# Altium PCB 智能马桶综合检测台V1.0.PcbDoc (part 2 of 10) (continued)
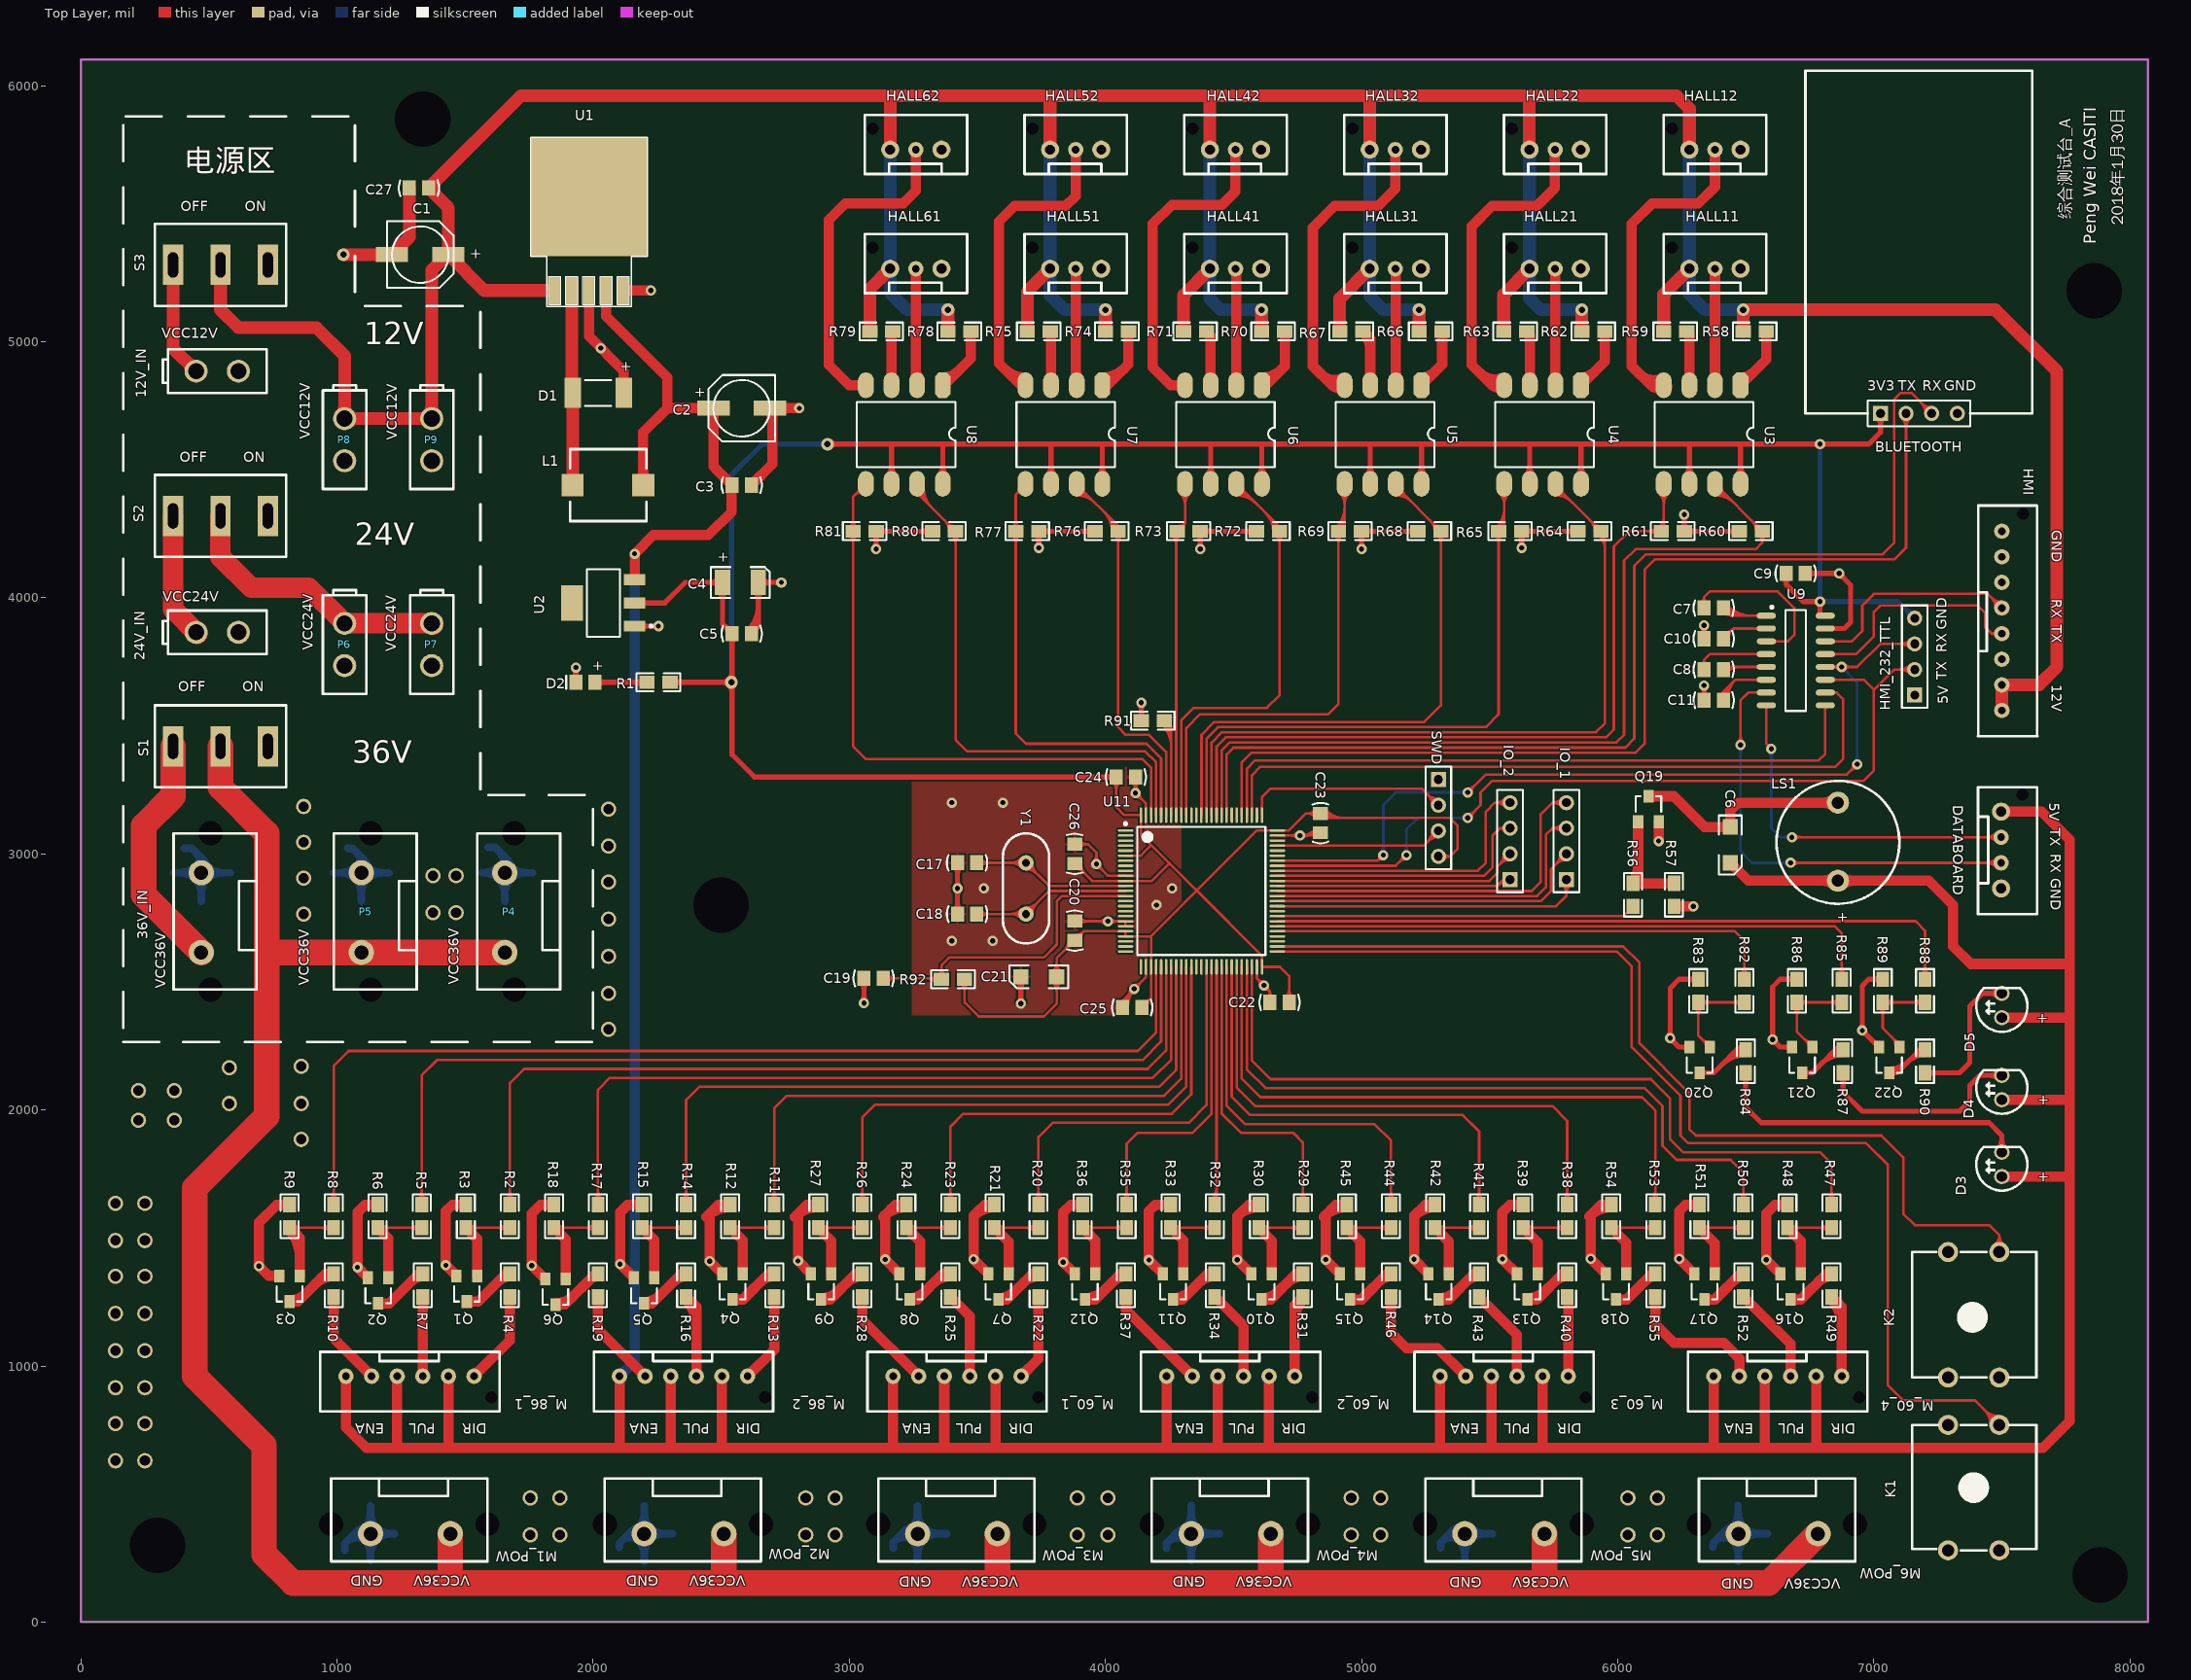
[diagram p0: Top Layer view]
## Nets (pads, with @x,y where several pads share a name; then routed paths per layer and width w, separated by ;. In a path a pad name is that pad's centre, name@x,y a point inside that pad or via, vN(x,y) a via of type N, cw(c..) or ccw(c..) an arc to the next point about the centre after c; other vN are vias at no path point) (continued)
3349.82,345 ; M3_POW.2@3291.41,320.81 cw(c3349.82,262.4) 3349.82,345 ; M3_POW.2@3291.41,320.81 cw(c3349.82,262.4) 3349.82,345 ; M3_POW.2@3291.41,369.19 ccw(c3349.82,427.6) 3349.82,345 ; M3_POW.2@3291.41,369.19 ccw(c3349.82,427.6) 3349.82,345 ; M3_POW.2@3291.41,369.19 ccw(c3349.82,427.6) 3349.82,345 ; M3_POW.2@3291.41,369.19 ccw(c3349.82,427.6) 3349.82,345 ; M3_POW.2@3291.41,369.19 ccw(c3349.82,427.6) 3349.82,345 ; 4242.95,312.2 cw(c4281.98,273.17) M4_POW.2@4314.85,317.51 ; 4242.95,312.2 cw(c4281.98,273.17) M4_POW.2@4314.85,317.51 ; 4242.95,312.2 cw(c4281.98,273.17) M4_POW.2@4314.85,317.51 ; 4242.95,312.2 cw(c4281.98,273.17) M4_POW.2@4314.85,317.51 ; 4242.95,312.2 cw(c4281.98,273.17) M4_POW.2@4314.85,317.51 ; 4246.44,315.68 cw(c4313.11,249.01) M4_POW.2@4334.27,340.89 ; 4246.44,315.68 cw(c4313.11,249.01) M4_POW.2@4334.27,340.89 ; 4246.44,315.68 cw(c4313.11,249.01) M4_POW.2@4334.27,340.89 ; 4246.44,315.68 cw(c4313.11,249.01) M4_POW.2@4334.27,340.89 ; 4246.44,315.68 cw(c4313.11,249.01) M4_POW.2@4334.27,340.89 ; 4267.55,336.8 cw(c4302.92,301.42) M4_POW.2@4332.71,341.62 ; 4267.55,336.8 cw(c4302.92,301.42) M4_POW.2@4332.71,341.62 ; 4267.55,336.8 cw(c4302.92,301.42) M4_POW.2@4332.71,341.62 ; 4267.55,336.8 cw(c4302.92,301.42) M4_POW.2@4332.71,341.62 ; 4267.55,336.8 cw(c4302.92,301.42) M4_POW.2@4332.71,341.62 ; 4272.68,345 cw(c4272.68,304.95) M4_POW.2@4306.41,326.55 ; 4272.68,345 ccw(c4272.68,385.05) M4_POW.2@4306.41,363.45 ; 4272.68,345 cw(c4272.68,304.95) M4_POW.2@4306.41,326.55 ; 4272.68,345 ccw(c4272.68,385.05) M4_POW.2@4306.41,363.45 ; 4272.68,345 cw(c4272.68,304.95) M4_POW.2@4306.41,326.55 ; 4272.68,345 ccw(c4272.68,385.05) M4_POW.2@4306.41,363.45 ; 4272.68,345 cw(c4272.68,304.95) M4_POW.2@4306.41,326.55 ; 4272.68,345 ccw(c4272.68,385.05) M4_POW.2@4306.41,363.45 ; 4272.68,345 ccw(c4272.68,385.05) M4_POW.2@4306.41,363.45 ; 4272.68,345 cw(c4272.68,304.95) M4_POW.2@4306.41,326.55 ; 4284.73,353.98 cw(c4327.45,311.26) M4_POW.2@4341.01,370.13 ; 4284.73,353.98 cw(c4327.45,311.26) M4_POW.2@4341.01,370.13 ; 4284.73,353.98 cw(c4327.45,311.26) M4_POW.2@4341.01,370.13 ; 4284.73,353.98 cw(c4327.45,311.26) M4_POW.2@4341.01,370.13 ; 4284.73,353.98 cw(c4327.45,311.26) M4_POW.2@4341.01,370.13 ; M4_POW.2@4311.03,320.81 cw(c4253.16,262.94) 4335,262.94 ; M4_POW.2@4311.03,320.81 cw(c4253.16,262.94) 4335,262.94 ; M4_POW.2@4311.03,320.81 cw(c4253.16,262.94) 4335,262.94 ; M4_POW.2@4311.03,320.81 cw(c4253.16,262.94) 4335,262.94 ; M4_POW.2@4311.03,320.81 cw(c4253.16,262.94) 4335,262.94 ; M4_POW.2@4311.03,369.19 ccw(c4252.62,427.6) 4335.22,427.6 ; M4_POW.2@4311.03,369.19 ccw(c4252.62,427.6) 4335.22,427.6 ; M4_POW.2@4311.03,369.19 ccw(c4252.62,427.6) 4335.22,427.6 ; M4_POW.2@4311.03,369.19 ccw(c4252.62,427.6) 4335.22,427.6 ; M4_POW.2@4311.03,369.19 ccw(c4252.62,427.6) 4335.22,427.6 ; 4335,261.87 cw(c4418.35,261.87) M4_POW.2@4359.41,320.81 ; 4335,261.87 cw(c4418.35,261.87) M4_POW.2@4359.41,320.81 ; 4335,261.87 cw(c4418.35,261.87) M4_POW.2@4359.41,320.81 ; 4335,261.87 cw(c4418.35,261.87) M4_POW.2@4359.41,320.81 ; 4335,261.87 cw(c4418.35,261.87) M4_POW.2@4359.41,320.81 ; 4335.22,427.6 ccw(c4417.82,427.6) M4_POW.2@4359.41,369.19 ; 4335.22,427.6 ccw(c4417.82,427.6) M4_POW.2@4359.41,369.19 ; 4335.22,427.6 ccw(c4417.82,427.6) M4_POW.2@4359.41,369.19 ; 4335.22,427.6 ccw(c4417.82,427.6) M4_POW.2@4359.41,369.19 ; 4335.22,427.6 ccw(c4417.82,427.6) M4_POW.2@4359.41,369.19 ; M4_POW.2@4359.41,320.81 cw(c4417.82,262.4) 4417.82,345 ; M4_POW.2@4359.41,320.81 cw(c4417.82,262.4) 4417.82,345 ; M4_POW.2@4359.41,320.81 cw(c4417.82,262.4) 4417.82,345 ; M4_POW.2@4359.41,320.81 cw(c4417.82,262.4) 4417.82,345 ; M4_POW.2@4359.41,320.81 cw(c4417.82,262.4) 4417.82,345 ; M4_POW.2@4359.41,369.19 ccw(c4417.82,427.6) 4417.82,345 ; M4_POW.2@4359.41,369.19 ccw(c4417.82,427.6) 4417.82,345 ; M4_POW.2@4359.41,369.19 ccw(c4417.82,427.6) 4417.82,345 ; M4_POW.2@4359.41,369.19 ccw(c4417.82,427.6) 4417.82,345 ; M4_POW.2@4359.41,369.19 ccw(c4417.82,427.6) 4417.82,345 ; 5314.02,315.27 cw(c5349.58,279.71) M5_POW.2@5381.5,318.57 ; 5314.02,315.27 cw(c5349.58,279.71) M5_POW.2@5381.5,318.57 ; 5314.02,315.27 cw(c5349.58,279.71) M5_POW.2@5381.5,318.57 ; 5314.02,315.27 cw(c5349.58,279.71) M5_POW.2@5381.5,318.57 ; 5314.02,315.27 cw(c5349.58,279.71) M5_POW.2@5381.5,318.57 ; 5316.94,318.19 cw(c5379.19,255.94) M5_POW.2@5402.12,340.93 ; 5316.94,318.19 cw(c5379.19,255.94) M5_POW.2@5402.12,340.93 ; 5316.94,318.19 cw(c5379.19,255.94) M5_POW.2@5402.12,340.93 ; 5316.94,318.19 cw(c5379.19,255.94) M5_POW.2@5402.12,340.93 ; 5316.94,318.19 cw(c5379.19,255.94) M5_POW.2@5402.12,340.93 ; 5337.41,338.66 cw(c5370.68,305.39) M5_POW.2@5400.55,341.75 ; 5337.41,338.66 cw(c5370.68,305.39) M5_POW.2@5400.55,341.75 ; 5337.41,338.66 cw(c5370.68,305.39) M5_POW.2@5400.55,341.75 ; 5337.41,338.66 cw(c5370.68,305.39) M5_POW.2@5400.55,341.75 ; 5337.41,338.66 cw(c5370.68,305.39) M5_POW.2@5400.55,341.75 ; 5343.76,345 cw(c5343.76,310.43) M5_POW.2@5373.64,327.8 ; 5343.76,345 ccw(c5343.76,379.57) M5_POW.2@5373.64,362.2 ; 5343.76,345 cw(c5343.76,310.43) M5_POW.2@5373.64,327.8 ; 5343.76,345 ccw(c5343.76,379.57) M5_POW.2@5373.64,362.2 ; 5343.76,345 cw(c5343.76,310.43) M5_POW.2@5373.64,327.8 ; 5343.76,345 ccw(c5343.76,379.57) M5_POW.2@5373.64,362.2 ; 5343.76,345 cw(c5343.76,310.43) M5_POW.2@5373.64,327.8 ; 5343.76,345 ccw(c5343.76,379.57) M5_POW.2@5373.64,362.2 ; 5343.76,345 ccw(c5343.76,379.57) M5_POW.2@5373.64,362.2 ; 5343.76,345 cw(c5343.76,310.43) M5_POW.2@5373.64,327.8 ; 5353.61,354.86 cw(c5394.77,313.69) M5_POW.2@5409.94,369.9 ; 5353.61,354.86 cw(c5394.77,313.69) M5_POW.2@5409.94,369.9 ; 5353.61,354.86 cw(c5394.77,313.69) M5_POW.2@5409.94,369.9 ; 5353.61,354.86 cw(c5394.77,313.69) M5_POW.2@5409.94,369.9 ; 5353.61,354.86 cw(c5394.77,313.69) M5_POW.2@5409.94,369.9 ; M5_POW.2@5379.03,320.81 cw(c5320.62,262.4) 5403.22,262.4 ; M5_POW.2@5379.03,320.81 cw(c5320.62,262.4) 5403.22,262.4 ; M5_POW.2@5379.03,320.81 cw(c5320.62,262.4) 5403.22,262.4 ; M5_POW.2@5379.03,320.81 cw(c5320.62,262.4) 5403.22,262.4 ; M5_POW.2@5379.03,320.81 cw(c5320.62,262.4) 5403.22,262.4 ; 5403.22,262.4 cw(c5485.82,262.4) M5_POW.2@5427.41,320.81 ; 5403.22,262.4 cw(c5485.82,262.4) M5_POW.2@5427.41,320.81 ; 5403.22,262.4 cw(c5485.82,262.4) M5_POW.2@5427.41,320.81 ; 5403.22,262.4 cw(c5485.82,262.4) M5_POW.2@5427.41,320.81 ; 5403.22,262.4 cw(c5485.82,262.4) M5_POW.2@5427.41,320.81 ; M5_POW.2@5427.41,320.81 cw(c5485.82,262.4) 5485.82,345 ; M5_POW.2@5427.41,320.81 cw(c5485.82,262.4) 5485.82,345 ; M5_POW.2@5427.41,320.81 cw(c5485.82,262.4) 5485.82,345 ; M5_POW.2@5427.41,320.81 cw(c5485.82,262.4) 5485.82,345 ; M5_POW.2@5427.41,320.81 cw(c5485.82,262.4) 5485.82,345 ; M5_POW.2@5427.41,369.19 ccw(c5485.82,427.6) 5485.82,345 ; M5_POW.2@5427.41,369.19 ccw(c5485.82,427.6) 5485.82,345 ; M5_POW.2@5427.41,369.19 ccw(c5485.82,427.6) 5485.82,345 ; M5_POW.2@5427.41,369.19 ccw(c5485.82,427.6) 5485.82,345 ; M5_POW.2@5427.41,369.19 ccw(c5485.82,427.6) 5485.82,345 ; 6377.41,313.73 cw(c6416.21,274.94) M6_POW.2@6450.09,318.09 ; 6377.41,313.73 cw(c6416.21,274.94) M6_POW.2@6450.09,318.09 ; 6377.41,313.73 cw(c6416.21,274.94) M6_POW.2@6450.09,318.09 ; 6377.41,313.73 cw(c6416.21,274.94) M6_POW.2@6450.09,318.09 ; 6377.41,313.73 cw(c6416.21,274.94) M6_POW.2@6450.09,318.09 ; 6380.54,316.85 cw(c6446.22,251.17) M6_POW.2@6470.14,340.93 ; 6380.54,316.85 cw(c6446.22,251.17) M6_POW.2@6470.14,340.93 ; 6380.54,316.85 cw(c6446.22,251.17) M6_POW.2@6470.14,340.93 ; 6380.54,316.85 cw(c6446.22,251.17) M6_POW.2@6470.14,340.93 ; 6380.54,316.85 cw(c6446.22,251.17) M6_POW.2@6470.14,340.93 ; 6401.33,337.65 cw(c6437.25,301.74) M6_POW.2@6468.62,341.69 ; 6401.33,337.65 cw(c6437.25,301.74) M6_POW.2@6468.62,341.69 ; 6401.33,337.65 cw(c6437.25,301.74) M6_POW.2@6468.62,341.69 ; 6401.33,337.65 cw(c6437.25,301.74) M6_POW.2@6468.62,341.69 ; 6401.33,337.65 cw(c6437.25,301.74) M6_POW.2@6468.62,341.69 ; 6408.68,345 cw(c6408.68,304.95) M6_POW.2@6442.41,326.55 ; 6408.68,345 ccw(c6408.68,385.05) M6_POW.2@6442.41,363.45 ; 6408.68,345 cw(c6408.68,304.95) M6_POW.2@6442.41,326.55 ; 6408.68,345 ccw(c6408.68,385.05) M6_POW.2@6442.41,363.45 ; 6408.68,345 cw(c6408.68,304.95) M6_POW.2@6442.41,326.55 ; 6408.68,345 ccw(c6408.68,385.05) M6_POW.2@6442.41,363.45 ; 6408.68,345 cw(c6408.68,304.95) M6_POW.2@6442.41,326.55 ; 6408.68,345 ccw(c6408.68,385.05) M6_POW.2@6442.41,363.45 ; 6408.68,345 ccw(c6408.68,385.05) M6_POW.2@6442.41,363.45 ; 6408.68,345 cw(c6408.68,304.95) M6_POW.2@6442.41,326.55 ; 6417.34,353.66 cw(c6461.71,309.29) M6_POW.2@6477.86,369.92 ; 6417.34,353.66 cw(c6461.71,309.29) M6_POW.2@6477.86,369.92 ; 6417.34,353.66 cw(c6461.71,309.29) M6_POW.2@6477.86,369.92 ; 6417.34,353.66 cw(c6461.71,309.29) M6_POW.2@6477.86,369.92 ; 6417.34,353.66 cw(c6461.71,309.29) M6_POW.2@6477.86,369.92 ; M6_POW.2@6447.03,320.81 cw(c6388.62,262.4) 6471.22,262.4 ; M6_POW.2@6447.03,320.81 cw(c6388.62,262.4) 6471.22,262.4 ; M6_POW.2@6447.03,320.81 cw(c6388.62,262.4) 6471.22,262.4 ; M6_POW.2@6447.03,320.81 cw(c6388.62,262.4) 6471.22,262.4 ; M6_POW.2@6447.03,320.81 cw(c6388.62,262.4) 6471.22,262.4 ; M6_POW.2@6447.03,369.19 ccw(c6391.57,424.65) 6470,424.65 ; M6_POW.2@6447.03,369.19 ccw(c6391.57,424.65) 6470,424.65 ; M6_POW.2@6447.03,369.19 ccw(c6391.57,424.65) 6470,424.65 ; M6_POW.2@6447.03,369.19 ccw(c6391.57,424.65) 6470,424.65 ; M6_POW.2@6447.03,369.19 ccw(c6391.57,424.65) 6470,424.65 ; 6470,430.54 ccw(c6556.76,430.54) M6_POW.2@6495.41,369.19 ; 6470,430.54 ccw(c6556.76,430.54) M6_POW.2@6495.41,369.19 ; 6470,430.54 ccw(c6556.76,430.54) M6_POW.2@6495.41,369.19 ; 6470,430.54 ccw(c6556.76,430.54) M6_POW.2@6495.41,369.19 ; 6470,430.54 ccw(c6556.76,430.54) M6_POW.2@6495.41,369.19 ; 6471.22,262.4 cw(c6553.82,262.4) M6_POW.2@6495.41,320.81 ; 6471.22,262.4 cw(c6553.82,262.4) M6_POW.2@6495.41,320.81 ; 6471.22,262.4 cw(c6553.82,262.4) M6_POW.2@6495.41,320.81 ; 6471.22,262.4 cw(c6553.82,262.4) M6_POW.2@6495.41,320.81 ; 6471.22,262.4 cw(c6553.82,262.4) M6_POW.2@6495.41,320.81 ; M6_POW.2@6495.41,320.81 cw(c6553.82,262.4) 6553.82,345 ; M6_POW.2@6495.41,320.81 cw(c6553.82,262.4) 6553.82,345 ; M6_POW.2@6495.41,320.81 cw(c6553.82,262.4) 6553.82,345 ; M6_POW.2@6495.41,320.81 cw(c6553.82,262.4) 6553.82,345 ; M6_POW.2@6495.41,320.81 cw(c6553.82,262.4) 6553.82,345 ; M6_POW.2@6495.41,369.19 ccw(c6553.82,427.6) 6553.82,345 ; M6_POW.2@6495.41,369.19 ccw(c6553.82,427.6) 6553.82,345 ; M6_POW.2@6495.41,369.19 ccw(c6553.82,427.6) 6553.82,345 ; M6_POW.2@6495.41,369.19 ccw(c6553.82,427.6) 6553.82,345 ; M6_POW.2@6495.41,369.19 ccw(c6553.82,427.6) 6553.82,345
60_1_DIR: R20.1 U11.39 | length 1965.9
  Top Layer w10: R20.1@3739,1630 3739,1894 3795,1950 4325,1950 4394.69,2019.69 U11.39@4394.69,2558.74 ; R20.1@3724.86,1649.14 ccw(c3690.72,1683.28) 3739,1683.28 ; R20.1@3724.86,1649.14 ccw(c3690.72,1683.28) 3739,1683.28 ; R20.1@3724.86,1649.14 ccw(c3690.72,1683.28) 3739,1683.28 ; R20.1@3724.86,1649.14 ccw(c3690.72,1683.28) 3739,1683.28 ; R20.1@3724.86,1649.14 ccw(c3690.72,1683.28) 3739,1683.28 ; R20.1@3724.86,1649.14 ccw(c3690.72,1683.28) 3739,1683.28 ; 3739,1683.28 ccw(c3787.28,1683.28) R20.1@3753.14,1649.14 ; 3739,1683.28 ccw(c3787.28,1683.28) R20.1@3753.14,1649.14 ; 3739,1683.28 ccw(c3787.28,1683.28) R20.1@3753.14,1649.14 ; 3739,1683.28 ccw(c3787.28,1683.28) R20.1@3753.14,1649.14 ; 3739,1683.28 ccw(c3787.28,1683.28) R20.1@3753.14,1649.14 ; 3739,1683.28 ccw(c3787.28,1683.28) R20.1@3753.14,1649.14
60_1_DIR_OUT: M_60_1.1 R22.2 | length 338.2
  Top Layer w40: M_60_1.1@3671,960 3739,1028 R22.2@3739,1270
60_1_ENA: R26.1 U11.35 | length 2578.5
  Top Layer w10: R26.1@3051,1630 3051,1971 3100,2020 4245,2020 4315.94,2090.94 U11.35@4315.94,2558.74 ; R26.1@3036.86,1649.14 ccw(c3002.72,1683.28) 3051,1683.28 ; R26.1@3036.86,1649.14 ccw(c3002.72,1683.28) 3051,1683.28 ; R26.1@3036.86,1649.14 ccw(c3002.72,1683.28) 3051,1683.28 ; R26.1@3036.86,1649.14 ccw(c3002.72,1683.28) 3051,1683.28 ; R26.1@3036.86,1649.14 ccw(c3002.72,1683.28) 3051,1683.28 ; R26.1@3036.86,1649.14 ccw(c3002.72,1683.28) 3051,1683.28 ; 3051,1683.28 ccw(c3099.28,1683.28) R26.1@3065.14,1649.14 ; 3051,1683.28 ccw(c3099.28,1683.28) R26.1@3065.14,1649.14 ; 3051,1683.28 ccw(c3099.28,1683.28) R26.1@3065.14,1649.14 ; 3051,1683.28 ccw(c3099.28,1683.28) R26.1@3065.14,1649.14 ; 3051,1683.28 ccw(c3099.28,1683.28) R26.1@3065.14,1649.14 ; 3051,1683.28 ccw(c3099.28,1683.28) R26.1@3065.14,1649.14
60_1_ENA_OUT: M_60_1.5 R28.2 | length 401.1
  Top Layer w40: R28.2@3051,1270 3051,1180 M_60_1.5@3271,960
60_1_PUL: R23.1 U11.36 | length 2250.8
  Top Layer w10: R23.1@3395,1630 3395,1935 3445,1985 4260,1985 4335.63,2060.63 U11.36@4335.63,2558.74 ; R23.1@3380.86,1649.14 ccw(c3346.72,1683.28) 3395,1683.28 ; R23.1@3380.86,1649.14 ccw(c3346.72,1683.28) 3395,1683.28 ; R23.1@3380.86,1649.14 ccw(c3346.72,1683.28) 3395,1683.28 ; R23.1@3380.86,1649.14 ccw(c3346.72,1683.28) 3395,1683.28 ; R23.1@3380.86,1649.14 ccw(c3346.72,1683.28) 3395,1683.28 ; R23.1@3380.86,1649.14 ccw(c3346.72,1683.28) 3395,1683.28 ; 3395,1683.28 ccw(c3443.28,1683.28) R23.1@3409.14,1649.14 ; 3395,1683.28 ccw(c3443.28,1683.28) R23.1@3409.14,1649.14 ; 3395,1683.28 ccw(c3443.28,1683.28) R23.1@3409.14,1649.14 ; 3395,1683.28 ccw(c3443.28,1683.28) R23.1@3409.14,1649.14 ; 3395,1683.28 ccw(c3443.28,1683.28) R23.1@3409.14,1649.14 ; 3395,1683.28 ccw(c3443.28,1683.28) R23.1@3409.14,1649.14
60_1_PUL_OUT: M_60_1.3 R25.2 | length 341.5
  Top Layer w40: R25.2@3395,1270 3471,1194 M_60_1.3@3471,960
60_2_DIR: R29.1 U11.42 | length 1635.3
  Top Layer w10: U11.42@4453.74,2558.74 4453.74,1986.26 4530,1910 4735,1910 4771,1874 R29.1@4771,1630 ; R29.1@4756.86,1649.14 ccw(c4722.72,1683.28) 4771,1683.28 ; R29.1@4756.86,1649.14 ccw(c4722.72,1683.28) 4771,1683.28 ; R29.1@4756.86,1649.14 ccw(c4722.72,1683.28) 4771,1683.28 ; R29.1@4756.86,1649.14 ccw(c4722.72,1683.28) 4771,1683.28 ; R29.1@4756.86,1649.14 ccw(c4722.72,1683.28) 4771,1683.28 ; R29.1@4756.86,1649.14 ccw(c4722.72,1683.28) 4771,1683.28 ; 4771,1683.28 ccw(c4819.28,1683.28) R29.1@4785.14,1649.14 ; 4771,1683.28 ccw(c4819.28,1683.28) R29.1@4785.14,1649.14 ; 4771,1683.28 ccw(c4819.28,1683.28) R29.1@4785.14,1649.14 ; 4771,1683.28 ccw(c4819.28,1683.28) R29.1@4785.14,1649.14 ; 4771,1683.28 ccw(c4819.28,1683.28) R29.1@4785.14,1649.14 ; 4771,1683.28 ccw(c4819.28,1683.28) R29.1@4785.14,1649.14
60_2_DIR_OUT: M_60_2.1 R31.2 | length 1218
  Top Layer w40: M_60_2.1@4739,960 4739,1238 R31.2@4771,1270 ; 4739,1175.67 cw(c4860.33,1175.67) R31.2@4774.54,1261.46 ; 4739,1175.67 cw(c4860.33,1175.67) R31.2@4774.54,1261.46 ; 4739,1175.67 cw(c4860.33,1175.67) R31.2@4774.54,1261.46 ; 4739,1175.67 cw(c4860.33,1175.67) R31.2@4774.54,1261.46 ; 4739,1175.67 cw(c4860.33,1175.67) R31.2@4774.54,1261.46 ; 4739,1175.67 cw(c4860.33,1175.67) R31.2@4774.54,1261.46 ; 4739,1223.13 cw(c4776.19,1223.13) R31.2@4771.61,1260.04 ; 4739,1223.13 cw(c4776.19,1223.13) R31.2@4771.61,1260.04 ; 4739,1223.13 cw(c4776.19,1223.13) R31.2@4771.61,1260.04 ; 4739,1223.13 cw(c4776.19,1223.13) R31.2@4771.61,1260.04 ; 4739,1223.13 cw(c4776.19,1223.13) R31.2@4771.61,1260.04 ; 4739,1223.13 cw(c4776.19,1223.13) R31.2@4771.61,1260.04
60_2_ENA: R35.1 U11.40 | length 1647
  Top Layer w10: R35.1@4083,1630 4083,1868 4125,1910 4340,1910 4414.37,1984.37 U11.40@4414.37,2558.74 ; R35.1@4068.86,1649.14 ccw(c4034.72,1683.28) 4083,1683.28 ; R35.1@4068.86,1649.14 ccw(c4034.72,1683.28) 4083,1683.28 ; R35.1@4068.86,1649.14 ccw(c4034.72,1683.28) 4083,1683.28 ; R35.1@4068.86,1649.14 ccw(c4034.72,1683.28) 4083,1683.28 ; R35.1@4068.86,1649.14 ccw(c4034.72,1683.28) 4083,1683.28 ; R35.1@4068.86,1649.14 ccw(c4034.72,1683.28) 4083,1683.28 ; 4083,1683.28 ccw(c4131.28,1683.28) R35.1@4097.14,1649.14 ; 4083,1683.28 ccw(c4131.28,1683.28) R35.1@4097.14,1649.14 ; 4083,1683.28 ccw(c4131.28,1683.28) R35.1@4097.14,1649.14 ; 4083,1683.28 ccw(c4131.28,1683.28) R35.1@4097.14,1649.14 ; 4083,1683.28 ccw(c4131.28,1683.28) R35.1@4097.14,1649.14 ; 4083,1683.28 ccw(c4131.28,1683.28) R35.1@4097.14,1649.14
60_2_ENA_OUT: M_60_2.5 R37.2 | length 417.3
  Top Layer w40: R37.2@4080,1270 4080,1219 M_60_2.5@4339,960
60_2_PUL: R32.1 U11.41 | length 1614
  Top Layer w10: R32.1@4427,1630 4434.06,1637.06 U11.41@4434.06,2558.74 ; R32.1@4412.86,1649.14 ccw(c4361.68,1700.32) 4434.06,1700.32 ; R32.1@4412.86,1649.14 ccw(c4361.68,1700.32) 4434.06,1700.32 ; R32.1@4412.86,1649.14 ccw(c4361.68,1700.32) 4434.06,1700.32 ; R32.1@4412.86,1649.14 ccw(c4361.68,1700.32) 4434.06,1700.32 ; R32.1@4412.86,1649.14 ccw(c4361.68,1700.32) 4434.06,1700.32 ; R32.1@4412.86,1649.14 ccw(c4361.68,1700.32) 4434.06,1700.32 ; R32.1@4419.93,1642.07 ccw(c4385.83,1676.17) 4434.06,1676.17 ; R32.1@4419.93,1642.07 ccw(c4385.83,1676.17) 4434.06,1676.17 ; R32.1@4419.93,1642.07 ccw(c4385.83,1676.17) 4434.06,1676.17 ; R32.1@4419.93,1642.07 ccw(c4385.83,1676.17) 4434.06,1676.17 ; R32.1@4419.93,1642.07 ccw(c4385.83,1676.17) 4434.06,1676.17 ; R32.1@4419.93,1642.07 ccw(c4385.83,1676.17) 4434.06,1676.17 ; 4434.06,1666.25 ccw(c4458.25,1666.25) R32.1@4441.14,1649.14 ; 4434.06,1666.25 ccw(c4458.25,1666.25) R32.1@4441.14,1649.14 ; 4434.06,1666.25 ccw(c4458.25,1666.25) R32.1@4441.14,1649.14 ; 4434.06,1666.25 ccw(c4458.25,1666.25) R32.1@4441.14,1649.14 ; 4434.06,1666.25 ccw(c4458.25,1666.25) R32.1@4441.14,1649.14 ; 4434.06,1666.25 ccw(c4458.25,1666.25) R32.1@4441.14,1649.14
60_2_PUL_OUT: M_60_2.3 R34.2 | length 356.4
  Top Layer w40: R34.2@4427,1270 4539,1158 M_60_2.3@4539,960
60_3_DIR: R38.2 U11.45 | length 2597.7
  Top Layer w10: U11.45@4512.8,2558.74 4512.8,2087.2 4585,2015 5745,2015 5803,1957 R38.2@5803,1630 ; R38.2@5788.86,1649.14 ccw(c5754.72,1683.28) 5803,1683.28 ; R38.2@5788.86,1649.14 ccw(c5754.72,1683.28) 5803,1683.28 ; R38.2@5788.86,1649.14 ccw(c5754.72,1683.28) 5803,1683.28 ; R38.2@5788.86,1649.14 ccw(c5754.72,1683.28) 5803,1683.28 ; R38.2@5788.86,1649.14 ccw(c5754.72,1683.28) 5803,1683.28 ; R38.2@5788.86,1649.14 ccw(c5754.72,1683.28) 5803,1683.28 ; 5803,1683.28 ccw(c5851.28,1683.28) R38.2@5817.14,1649.14 ; 5803,1683.28 ccw(c5851.28,1683.28) R38.2@5817.14,1649.14 ; 5803,1683.28 ccw(c5851.28,1683.28) R38.2@5817.14,1649.14 ; 5803,1683.28 ccw(c5851.28,1683.28) R38.2@5817.14,1649.14 ; 5803,1683.28 ccw(c5851.28,1683.28) R38.2@5817.14,1649.14 ; 5803,1683.28 ccw(c5851.28,1683.28) R38.2@5817.14,1649.14
60_3_DIR_OUT: M_60_3.1 R40.2 | length 311.7
  Top Layer w40: R40.2@5803,1270 5807,1266 M_60_3.1@5807,960
60_3_ENA: R44.2 U11.43 | length 1945.4
  Top Layer w10: U11.43@4473.43,2558.74 4473.43,2016.57 4545,1945 5050,1945 5115,1880 R44.2@5115,1630 ; R44.2@5100.86,1649.14 ccw(c5066.72,1683.28) 5115,1683.28 ; R44.2@5100.86,1649.14 ccw(c5066.72,1683.28) 5115,1683.28 ; R44.2@5100.86,1649.14 ccw(c5066.72,1683.28) 5115,1683.28 ; R44.2@5100.86,1649.14 ccw(c5066.72,1683.28) 5115,1683.28 ; R44.2@5100.86,1649.14 ccw(c5066.72,1683.28) 5115,1683.28 ; R44.2@5100.86,1649.14 ccw(c5066.72,1683.28) 5115,1683.28 ; 5115,1683.28 ccw(c5163.28,1683.28) R44.2@5129.14,1649.14 ; 5115,1683.28 ccw(c5163.28,1683.28) R44.2@5129.14,1649.14 ; 5115,1683.28 ccw(c5163.28,1683.28) R44.2@5129.14,1649.14 ; 5115,1683.28 ccw(c5163.28,1683.28) R44.2@5129.14,1649.14 ; 5115,1683.28 ccw(c5163.28,1683.28) R44.2@5129.14,1649.14 ; 5115,1683.28 ccw(c5163.28,1683.28) R44.2@5129.14,1649.14
60_3_ENA_OUT: M_60_3.5 R46.2 | length 502.4
  Top Layer w40: R46.2@5115,1270 5115,1130 5175,1070 5297,1070 M_60_3.5@5407,960
60_3_PUL: R41.2 U11.44 | length 2270.1
  Top Layer w10: U11.44@4493.11,2558.74 4493.11,2051.89 4565,1980 5395,1980 5459,1916 R41.2@5459,1630 ; R41.2@5444.86,1649.14 ccw(c5410.72,1683.28) 5459,1683.28 ; R41.2@5444.86,1649.14 ccw(c5410.72,1683.28) 5459,1683.28 ; R41.2@5444.86,1649.14 ccw(c5410.72,1683.28) 5459,1683.28 ; R41.2@5444.86,1649.14 ccw(c5410.72,1683.28) 5459,1683.28 ; R41.2@5444.86,1649.14 ccw(c5410.72,1683.28) 5459,1683.28 ; R41.2@5444.86,1649.14 ccw(c5410.72,1683.28) 5459,1683.28 ; 5459,1683.28 ccw(c5507.28,1683.28) R41.2@5473.14,1649.14 ; 5459,1683.28 ccw(c5507.28,1683.28) R41.2@5473.14,1649.14 ; 5459,1683.28 ccw(c5507.28,1683.28) R41.2@5473.14,1649.14 ; 5459,1683.28 ccw(c5507.28,1683.28) R41.2@5473.14,1649.14 ; 5459,1683.28 ccw(c5507.28,1683.28) R41.2@5473.14,1649.14 ; 5459,1683.28 ccw(c5507.28,1683.28) R41.2@5473.14,1649.14
60_3_PUL_OUT: M_60_3.3 R43.2 | length 371.3
  Top Layer w40: R43.2@5459,1270 5607,1122 M_60_3.3@5607,960
60_4_DIR: R47.2 U11.48 | length 3504.5
  Top Layer w10: U11.48@4571.85,2558.74 4571.85,2193.15 4645,2120 6130,2120 6205,2045 6205,1885 6255,1835 6790,1835 6835,1790 R47.2@6835,1630 ; R47.2@6820.86,1649.14 ccw(c6786.72,1683.28) 6835,1683.28 ; R47.2@6820.86,1649.14 ccw(c6786.72,1683.28) 6835,1683.28 ; R47.2@6820.86,1649.14 ccw(c6786.72,1683.28) 6835,1683.28 ; R47.2@6820.86,1649.14 ccw(c6786.72,1683.28) 6835,1683.28 ; R47.2@6820.86,1649.14 ccw(c6786.72,1683.28) 6835,1683.28 ; R47.2@6820.86,1649.14 ccw(c6786.72,1683.28) 6835,1683.28 ; 6835,1683.28 ccw(c6883.28,1683.28) R47.2@6849.14,1649.14 ; 6835,1683.28 ccw(c6883.28,1683.28) R47.2@6849.14,1649.14 ; 6835,1683.28 ccw(c6883.28,1683.28) R47.2@6849.14,1649.14 ; 6835,1683.28 ccw(c6883.28,1683.28) R47.2@6849.14,1649.14 ; 6835,1683.28 ccw(c6883.28,1683.28) R47.2@6849.14,1649.14 ; 6835,1683.28 ccw(c6883.28,1683.28) R47.2@6849.14,1649.14
60_4_DIR_OUT: M_60_4.1 R49.2 | length 1439.2
  Top Layer w40: R49.2@6835,1270 6875,1230 M_60_4.1@6875,960 ; R49.2@6831.46,1261.46 cw(c6726.36,1156.36) 6875,1156.36 ; R49.2@6831.46,1261.46 cw(c6726.36,1156.36) 6875,1156.36 ; R49.2@6831.46,1261.46 cw(c6726.36,1156.36) 6875,1156.36 ; R49.2@6831.46,1261.46 cw(c6726.36,1156.36) 6875,1156.36 ; R49.2@6831.46,1261.46 cw(c6726.36,1156.36) 6875,1156.36 ; R49.2@6831.46,1261.46 cw(c6726.36,1156.36) 6875,1156.36 ; R49.2@6834.18,1260.07 cw(c6826.11,1211.85) 6875,1211.85 ; R49.2@6834.18,1260.07 cw(c6826.11,1211.85) 6875,1211.85 ; R49.2@6834.18,1260.07 cw(c6826.11,1211.85) 6875,1211.85 ; R49.2@6834.18,1260.07 cw(c6826.11,1211.85) 6875,1211.85 ; R49.2@6834.18,1260.07 cw(c6826.11,1211.85) 6875,1211.85 ; R49.2@6834.18,1260.07 cw(c6826.11,1211.85) 6875,1211.85
60_4_ENA: R53.2 U11.46 | length 2925.4
  Top Layer w10: U11.46@4532.48,2558.74 4532.48,2122.52 4605,2050 6095,2050 6147,1998 R53.2@6147,1630 ; R53.2@6132.86,1649.14 ccw(c6098.72,1683.28) 6147,1683.28 ; R53.2@6132.86,1649.14 ccw(c6098.72,1683.28) 6147,1683.28 ; R53.2@6132.86,1649.14 ccw(c6098.72,1683.28) 6147,1683.28 ; R53.2@6132.86,1649.14 ccw(c6098.72,1683.28) 6147,1683.28 ; R53.2@6132.86,1649.14 ccw(c6098.72,1683.28) 6147,1683.28 ; R53.2@6132.86,1649.14 ccw(c6098.72,1683.28) 6147,1683.28 ; 6147,1683.28 ccw(c6195.28,1683.28) R53.2@6161.14,1649.14 ; 6147,1683.28 ccw(c6195.28,1683.28) R53.2@6161.14,1649.14 ; 6147,1683.28 ccw(c6195.28,1683.28) R53.2@6161.14,1649.14 ; 6147,1683.28 ccw(c6195.28,1683.28) R53.2@6161.14,1649.14 ; 6147,1683.28 ccw(c6195.28,1683.28) R53.2@6161.14,1649.14 ; 6147,1683.28 ccw(c6195.28,1683.28) R53.2@6161.14,1649.14
60_4_ENA_OUT: M_60_4.5 R55.2 | length 560.1
  Top Layer w40: R55.2@6147,1270 6147,1163 6220,1090 6415,1090 6475,1030 M_60_4.5@6475,960
60_4_PUL: R50.2 U11.47 | length 3177.5
  Top Layer w10: U11.47@4552.17,2558.74 4552.17,2157.83 4625,2085 6105,2085 6175,2015 6175,1860 6230,1805 6441,1805 6491,1755 R50.2@6491,1630 ; R50.2@6476.86,1649.14 ccw(c6442.72,1683.28) 6491,1683.28 ; R50.2@6476.86,1649.14 ccw(c6442.72,1683.28) 6491,1683.28 ; R50.2@6476.86,1649.14 ccw(c6442.72,1683.28) 6491,1683.28 ; R50.2@6476.86,1649.14 ccw(c6442.72,1683.28) 6491,1683.28 ; R50.2@6476.86,1649.14 ccw(c6442.72,1683.28) 6491,1683.28 ; R50.2@6476.86,1649.14 ccw(c6442.72,1683.28) 6491,1683.28 ; 6491,1683.28 ccw(c6539.28,1683.28) R50.2@6505.14,1649.14 ; 6491,1683.28 ccw(c6539.28,1683.28) R50.2@6505.14,1649.14 ; 6491,1683.28 ccw(c6539.28,1683.28) R50.2@6505.14,1649.14 ; 6491,1683.28 ccw(c6539.28,1683.28) R50.2@6505.14,1649.14 ; 6491,1683.28 ccw(c6539.28,1683.28) R50.2@6505.14,1649.14 ; 6491,1683.28 ccw(c6539.28,1683.28) R50.2@6505.14,1649.14
60_4_PUL_OUT: M_60_4.3 R52.2 | length 386.2
  Top Layer w40: R52.2@6491,1270 6675,1086 M_60_4.3@6675,960
86_1_DIR: R2.1 U11.31 | length 3871.5
  Top Layer w10: R2.1@1675,1630 1675,2105 1730,2160 4165,2160 4237.2,2232.2 U11.31@4237.2,2558.74 ; R2.1@1660.86,1649.14 ccw(c1626.72,1683.28) 1675,1683.28 ; R2.1@1660.86,1649.14 ccw(c1626.72,1683.28) 1675,1683.28 ; R2.1@1660.86,1649.14 ccw(c1626.72,1683.28) 1675,1683.28 ; R2.1@1660.86,1649.14 ccw(c1626.72,1683.28) 1675,1683.28 ; R2.1@1660.86,1649.14 ccw(c1626.72,1683.28) 1675,1683.28 ; R2.1@1660.86,1649.14 ccw(c1626.72,1683.28) 1675,1683.28 ; 1675,1683.28 ccw(c1723.28,1683.28) R2.1@1689.14,1649.14 ; 1675,1683.28 ccw(c1723.28,1683.28) R2.1@1689.14,1649.14 ; 1675,1683.28 ccw(c1723.28,1683.28) R2.1@1689.14,1649.14 ; 1675,1683.28 ccw(c1723.28,1683.28) R2.1@1689.14,1649.14 ; 1675,1683.28 ccw(c1723.28,1683.28) R2.1@1689.14,1649.14 ; 1675,1683.28 ccw(c1723.28,1683.28) R2.1@1689.14,1649.14
86_1_DIR_OUT: M_86_1.1 R4.2 | length 368
  Top Layer w40: M_86_1.1@1535,960 1675,1100 R4.2@1675,1270
86_1_ENA: R8.1 U11.29 | length 4518.4
  Top Layer w10: R8.1@987,1630 987,2172 1045,2230 4125.67,2230 4197.83,2302.17 U11.29@4197.83,2558.74 ; R8.1@972.86,1649.14 ccw(c938.72,1683.28) 987,1683.28 ; R8.1@972.86,1649.14 ccw(c938.72,1683.28) 987,1683.28 ; R8.1@972.86,1649.14 ccw(c938.72,1683.28) 987,1683.28 ; R8.1@972.86,1649.14 ccw(c938.72,1683.28) 987,1683.28 ; R8.1@972.86,1649.14 ccw(c938.72,1683.28) 987,1683.28 ; R8.1@972.86,1649.14 ccw(c938.72,1683.28) 987,1683.28 ; 987,1683.28 ccw(c1035.28,1683.28) R8.1@1001.14,1649.14 ; 987,1683.28 ccw(c1035.28,1683.28) R8.1@1001.14,1649.14 ; 987,1683.28 ccw(c1035.28,1683.28) R8.1@1001.14,1649.14 ; 987,1683.28 ccw(c1035.28,1683.28) R8.1@1001.14,1649.14 ; 987,1683.28 ccw(c1035.28,1683.28) R8.1@1001.14,1649.14 ; 987,1683.28 ccw(c1035.28,1683.28) R8.1@1001.14,1649.14
86_1_ENA_OUT: M_86_1.5 R10.2 | length 371.3
  Top Layer w40: R10.2@987,1270 987,1108 M_86_1.5@1135,960